# Altium PCB 1-quilter-input.PcbDoc (part 1 of 4)
Units mil, origin at the board's own origin, x right, y up, seen from the top; angles counter-clockwise.
Board outline 2728 x 2217 mil, 8 copper layers (L1_PS, L2_GND_1, L3_IN1, L4_GND_2, L5_PWR_1, L6_PWR_2, L7_GND_3, L8_SS), stack 46.1 mil thick; 230 components, 327 nets, 1592 pads, 586 vias.
Unrouted connection lines stored in the file: 713.
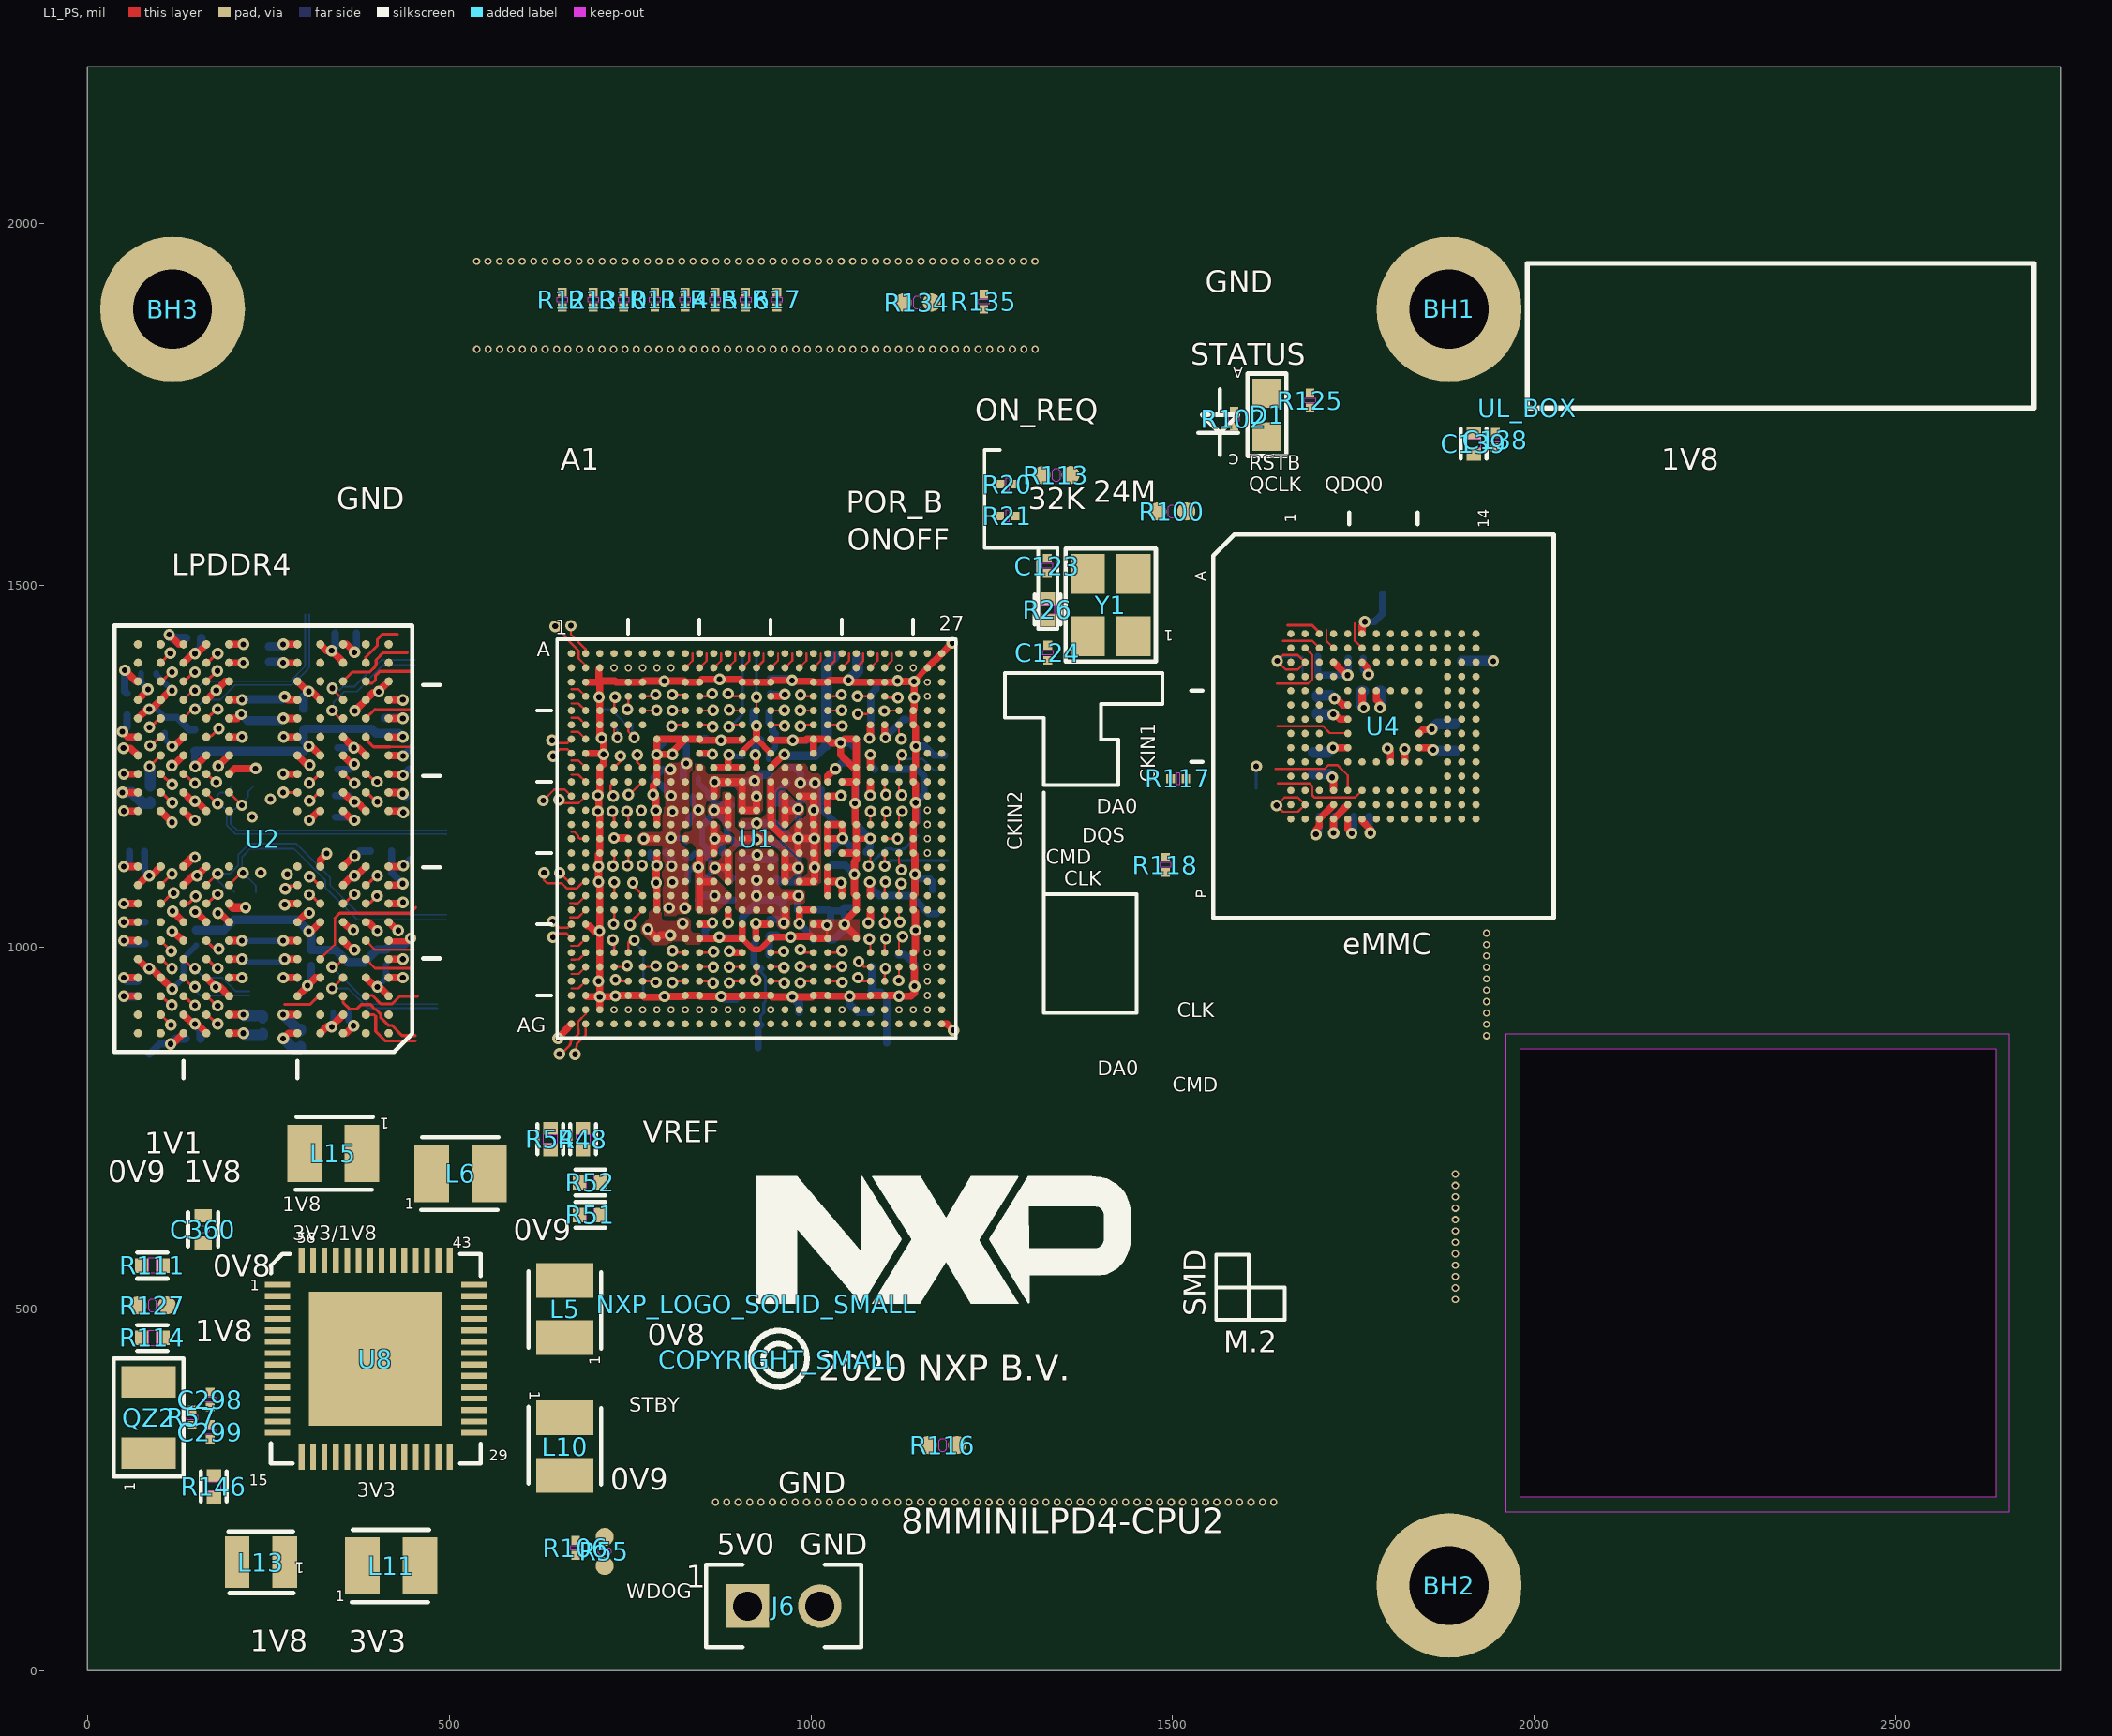
[diagram p0: L1_PS view]
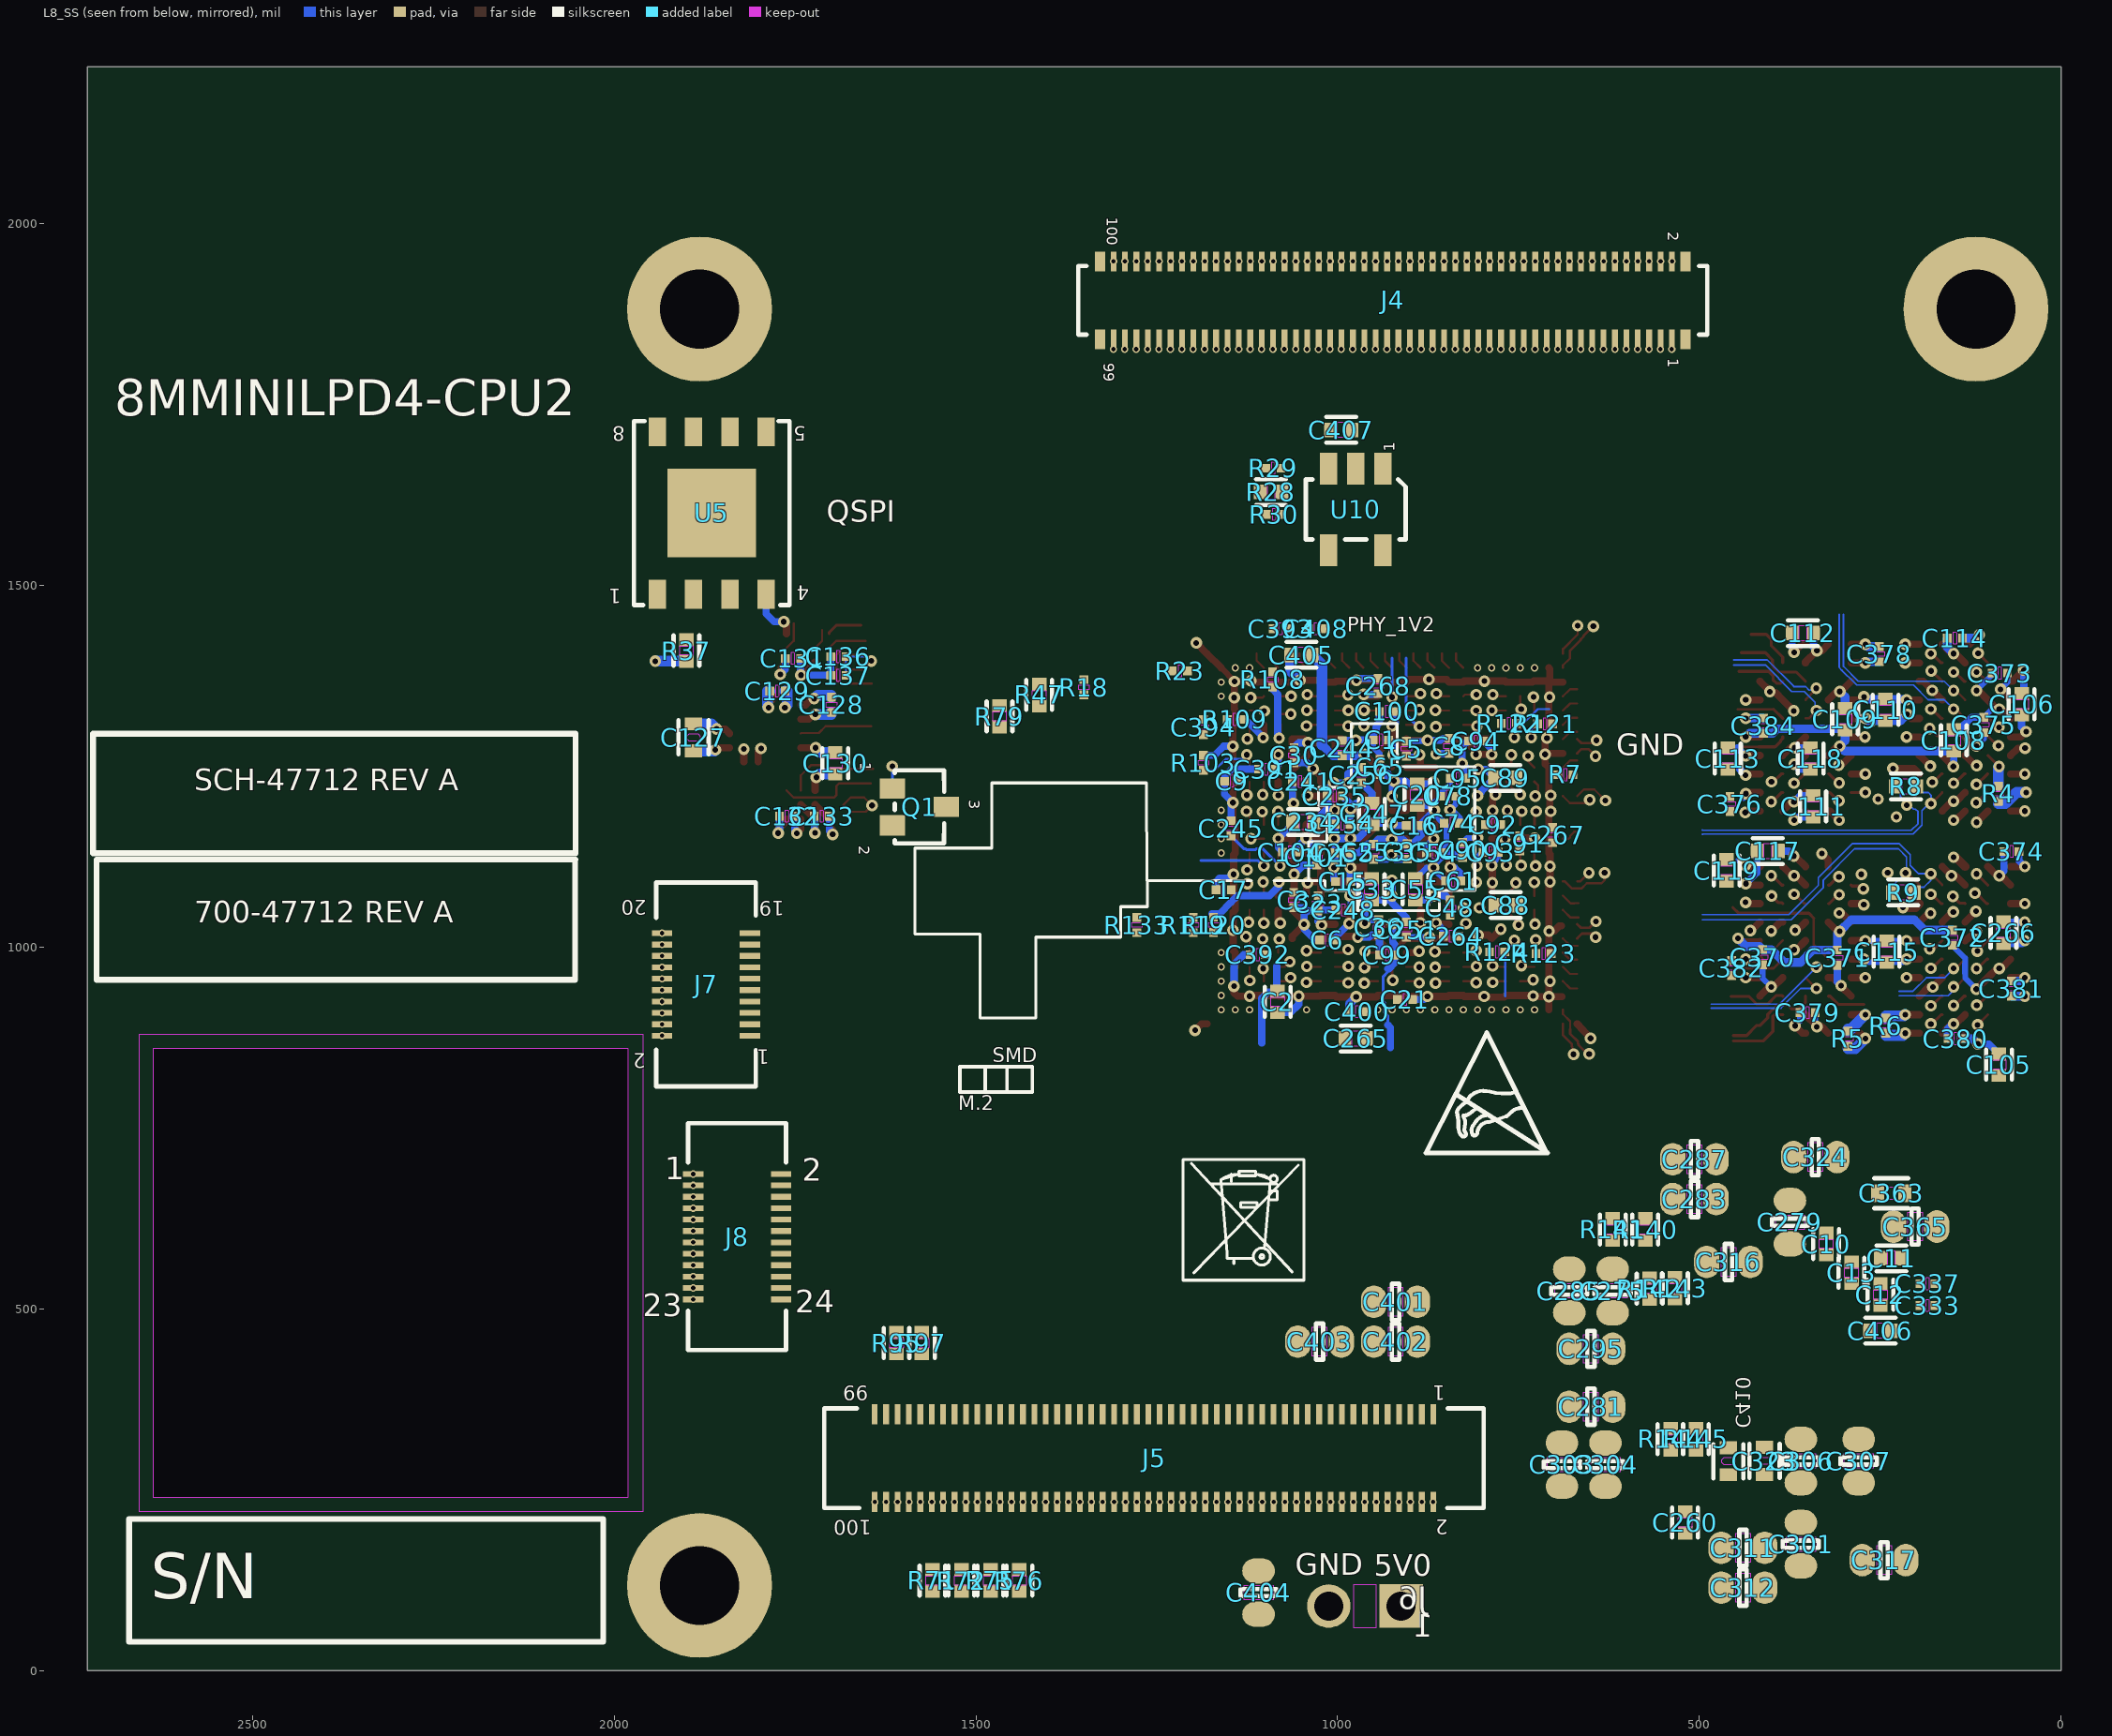
[diagram p1: L8_SS view, seen from below]
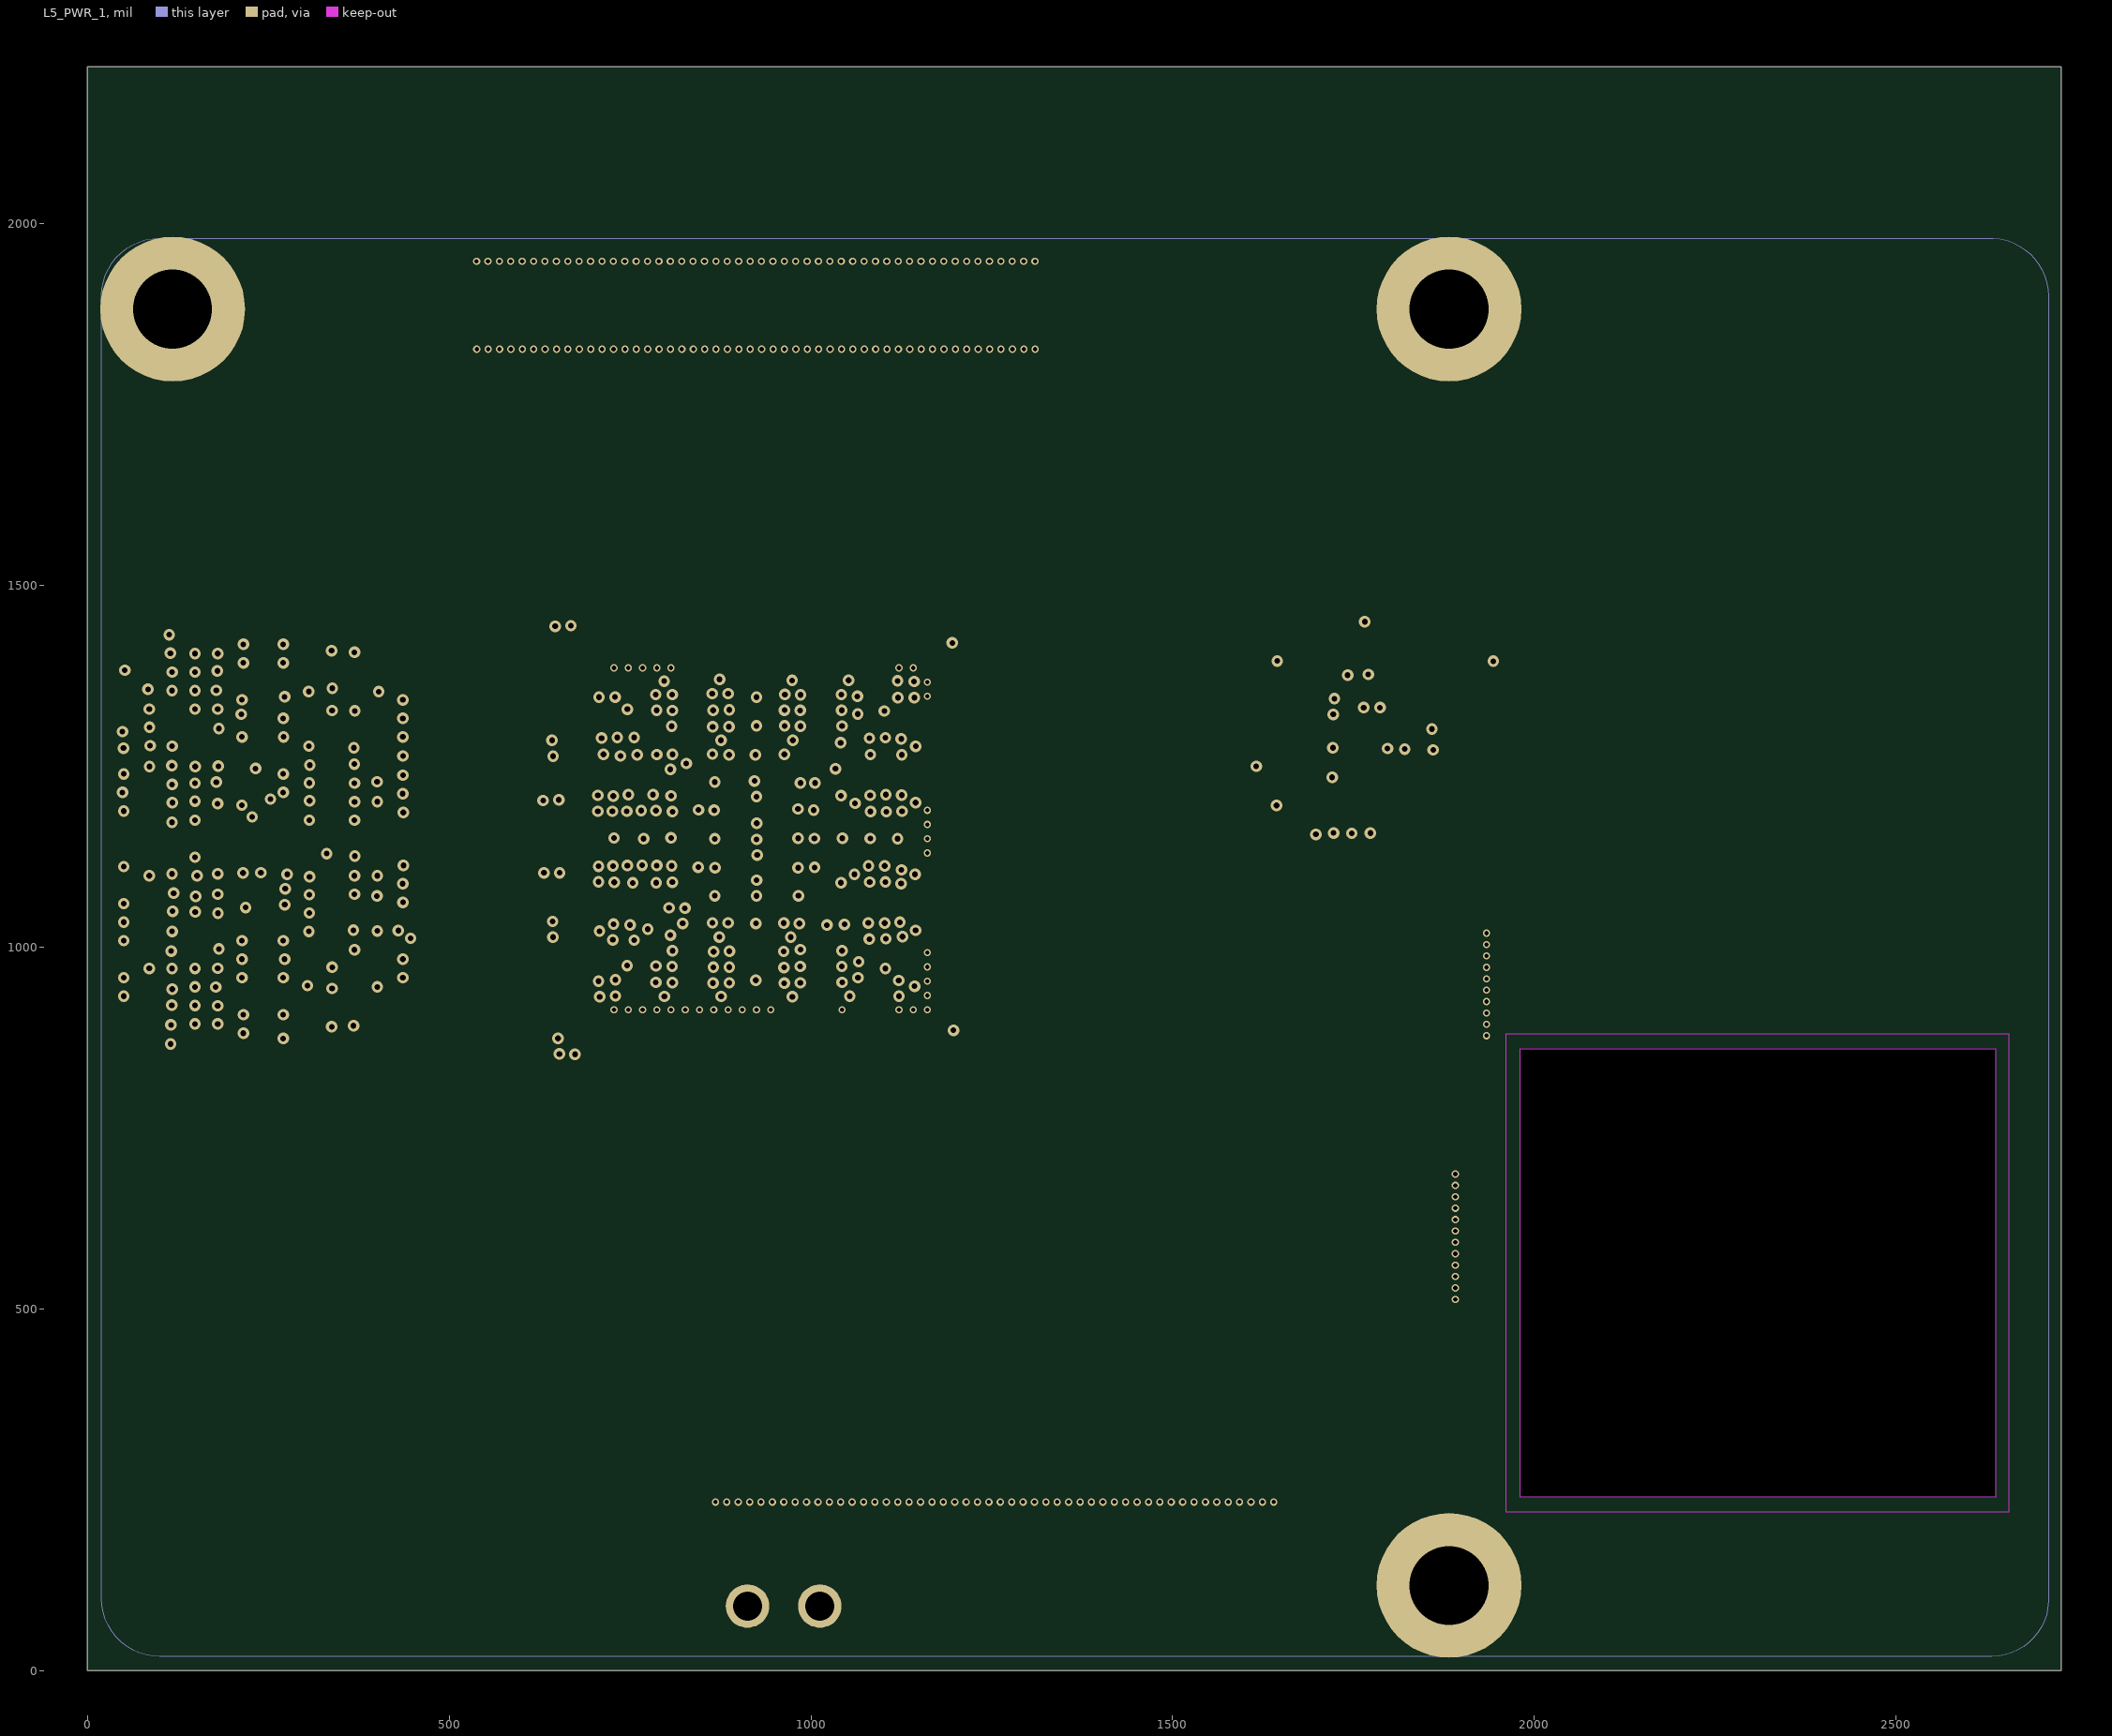
[diagram p2: L5_PWR_1]
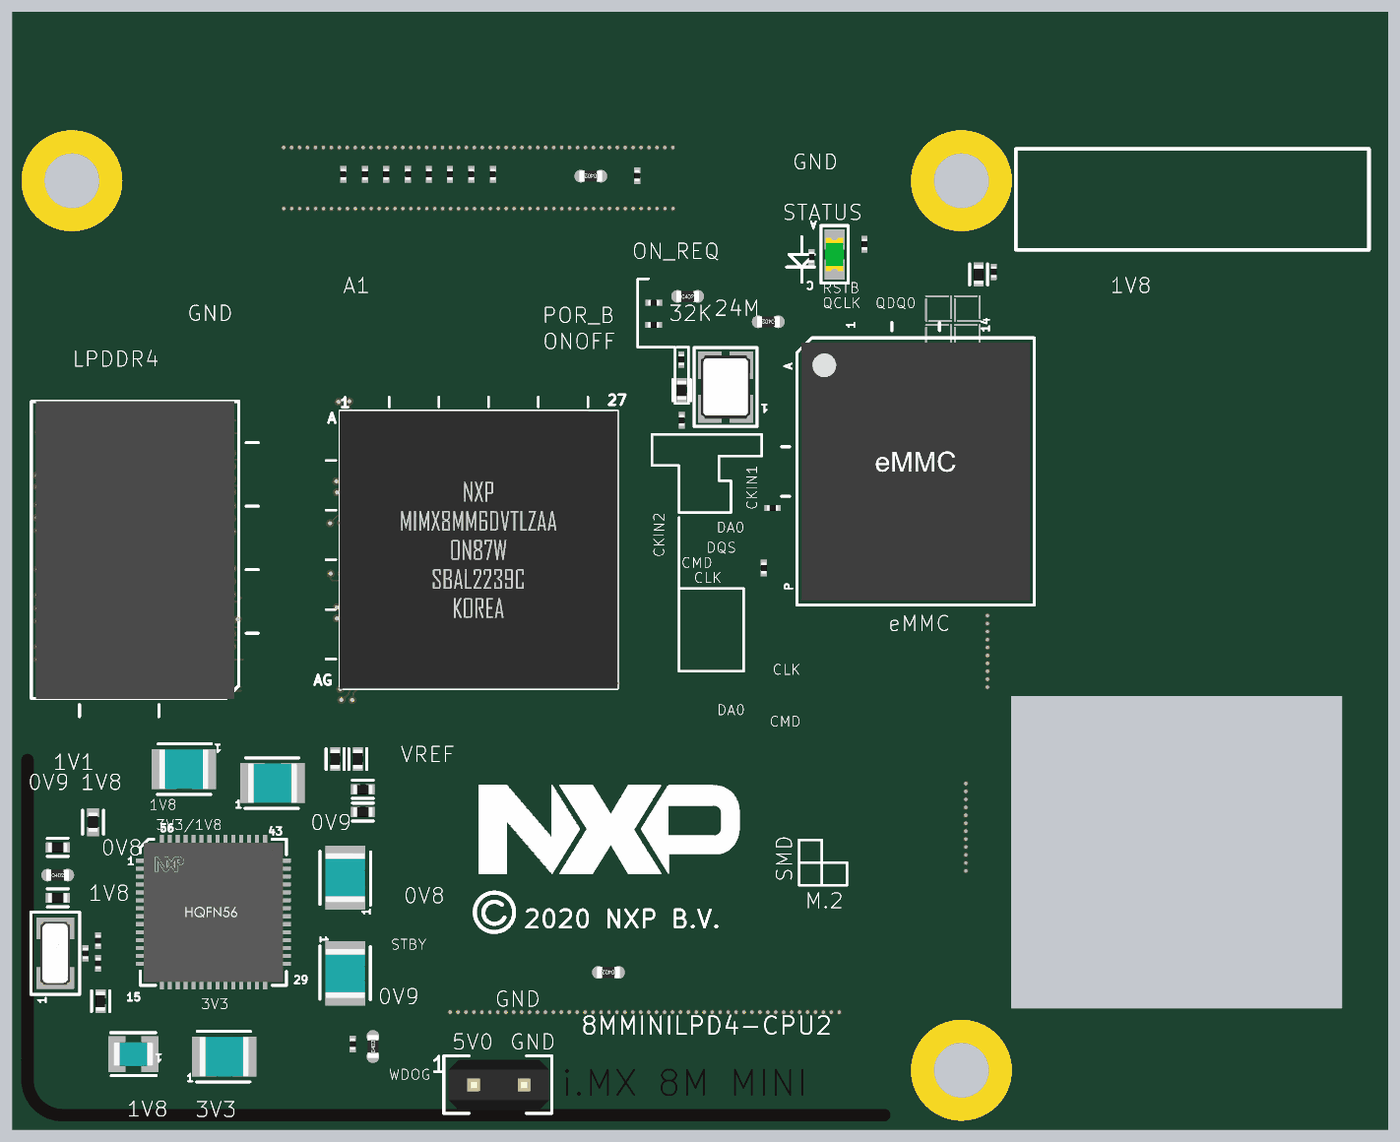
[diagram p6: 3D render of the assembled board from above, using the file's embedded part models]